# KiCad board DisplayAdapter.kicad_pcb (continued)
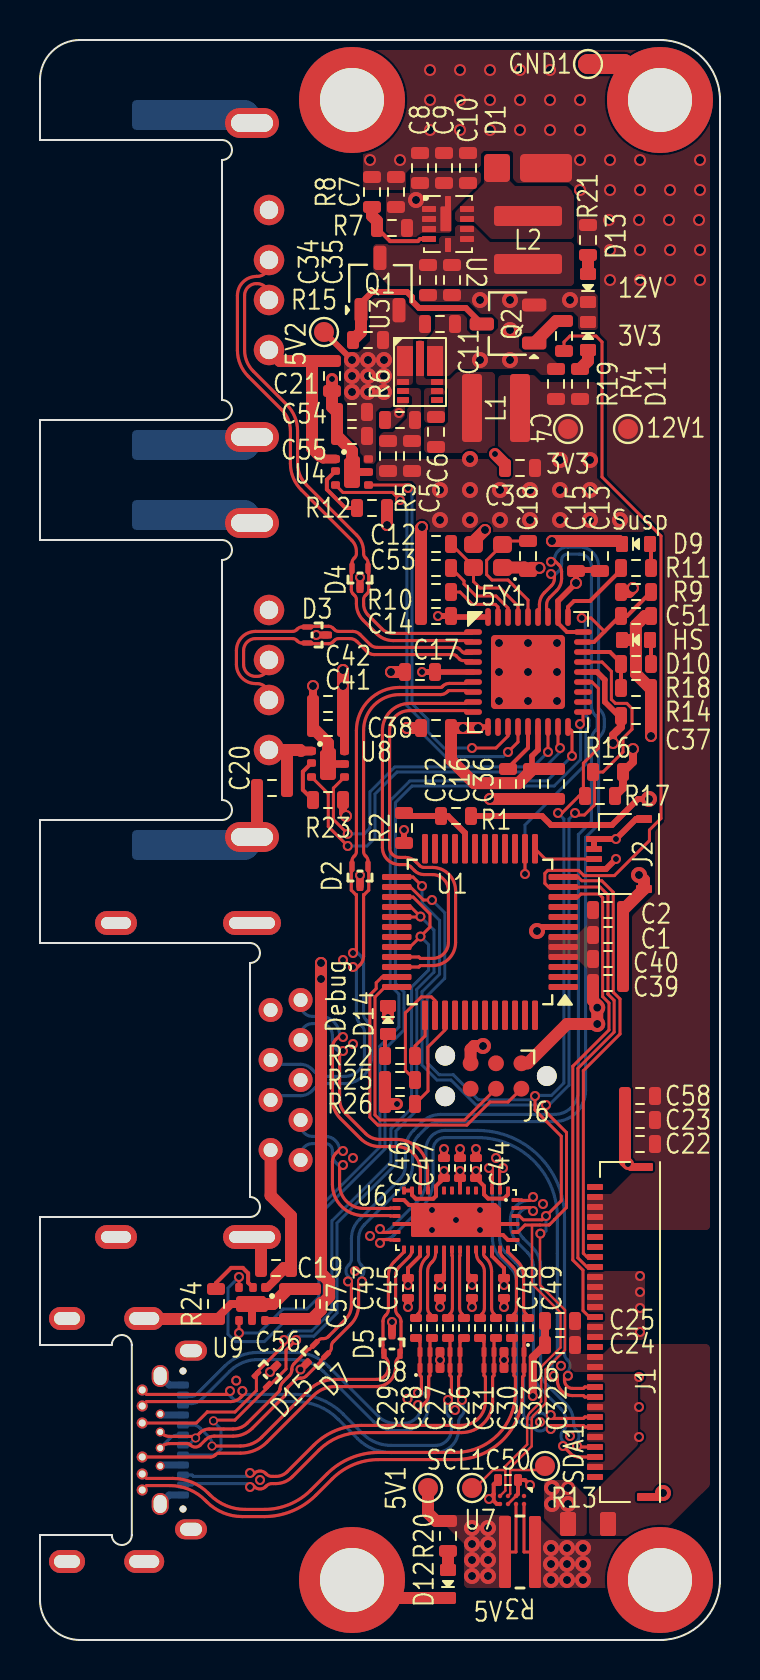
[diagram p0: board, top side]
## Routing (per net, layer and track width the routed paths; a pad name or vN(x,y) marks a point on that pad's centre or on a via; arc(x,y) is an arc through that point) (continued)
  Top w0.6: v3(22.25,55.5) 21.67,54.92 Y1.2 ; v1(22.75,59.3) 23.25,58.8 C3.2 ; D10.1 29.79,50 ; 29.79,50 29.79,50.74 30.25,51.2 C51.2 ; 29.79,50 29.79,49.31 29.8,49.3 29.8,48.3 30.5,47.6 R14.1 C37.1 v3(30.55,45.2) ; C57.2 C56.2 11.65,16.8 U9.S ; C20.2 10.85,40.4 J5.5 ; C58.1 29.25,23.95 v1(29.4,23.8) ; R25.1 R26.1 v1(17.85,26.8) ; v2(29.95,38.25) 30.2,38 J2.5 C2.2 C1.2 C40.2 C39.2 ; v3(25.6,54.95) C15.1 C13.1 28.95,54.95 D9.1 ; C38.1 v3(18.35,45.6) ; U8.S 14.4,44.85 C41.2 C42.2 ; C12.2 19.05,55.6 v3(19.1,55.65) ; C12.2 19.05,55.05 ; C12.2 R10.2 C14.1 ; C36.1 C16.1 C52.2 v3(22.5,42.05) ; U4.S 15.6,59.45 C55.2 C54.2 14.6,61.65 C21.2 v1(14.6,63.05) ; R12.2 v3(17.35,55.75) ; D14.1 v1(17.4,31.15) ; J6.5 21.53,29.53 21.7,29.7 v2(22.15,29.7) ; v3(24.97,53.61) 24.56,53.61 C18.2 24.22,53.62 Y1.4 ; 15.6,3.2 16.7,2.1 D12.1 ; J7.S 5.23,16.05 R24.2 ; J3.10 11.05,19.7 C19.2 ; C17.1 v3(17.55,48.4)
  Top w1: GND1.1 29.2,78.8 M2.1
  In1.Cu w0.4: 13.66,21.8 14.78,21.8
  In2.Cu w0.4: 13.66,21.8 14.98,21.8
  Bottom w0.35: J7.A12 6.46,12.75 J7.B1 ; J7.A1 6.46,7.25 J7.B12
  Bottom w1.5: J4.5 10.2,59.75 J4.5 ; J5.5 10.2,56.25 J5.5 ; J5.5 10.2,39.75 J5.5 ; J4.5 10.2,76.25 J4.5
  vias: v1(9.81,12.97) v1(11,8) v1(15.15,34) v1(15.65,29.8) v1(15.65,24.1) v1(15.75,18.45) v1(16.5,20.2) v1(17.95,61.35) v1(18.38,12.06) v1(19.6,20.5) v1(20.75,11.5) v1(22,21.5) v1(22.8,24.1) v1(25,10.9) v1(25.15,21.8) v1(26.05,13.71) v1(26.5,10.2) v1(30,18.2) v1(30,17.4) v1(30,16.6) v1(30,15.4) v1(29.95,13.15) v1(29.95,11.65) v1(29.95,10.15) v2(18.8,72) v2(22,67) v2(22,64) v2(23.5,67) v2(23.5,65.5) v2(23.5,64) v2(26.5,67) v3(22.95,49.85) v3(22.95,48.4) v3(22.95,46.95) v3(24.4,49.85) v3(24.4,48.4) v3(24.4,46.95) v3(25.85,49.85) v3(25.85,48.4) v3(25.85,46.95)
/CONTROL/BL_ENABLE: length 59.1
  Top w0.15: J1.22 27.35,18.65 26.89,19.11 26.89,28.58 28.71,30.39 28.71,31.98 28.4,32.28 28.4,32.3 28.4,32.3 28.4,37.25 28,37.65 U1.11 25.43,37.65 25.24,37.83 25.24,38.33 25.39,38.48 26.93,38.48 27.2,38.22 28.72,38.22 30.47,39.97 30.47,40.5 31.05,41.08 31.05,55.2 28.1,58.15 28.1,64.9 27.8,65.2 26.5,65.2 26.2,64.9 R4.1
/CONTROL/BL_SENSE: length 3.2
  Top w0.15: J2.2 25.26,39.05 U1.13
/CONTROL/HP_Det: length 24.5
  Top w0.15: U1.10 26.9,37.15 27.05,37.3 27.95,37.3 28.13,37.12 28.13,32.17 28.45,31.85 28.45,30.5 26.64,28.69 26.64,19 27.15,18.49 27.15,16.47 27.47,16.15 27.65,16.15
/CONTROL/I2C.SCL: length 71.3
  Top w0.12: 25,20.75 24.6,20.75 24.6,17.8 26.02,16.38 26.02,14.62 25.05,13.65 25.05,13.64 25.05,11.92 24.51,11.38 arc(24.4,11.21) 24.36,11.01 24.36,9.78 23.27,8.69 23.27,7.47 U7.D1 ; 23.27,8.5 22.65,8.5 21.75,7.6 SCL1.1
  Top w0.15: U5.24 28.1,48.9 28.57,48.43 28.57,47.03 28.77,46.83 29.34,46.83 29.6,46.57 29.6,45.54 29.15,45.09 29.15,44.4 28.15,43.4 R16.1 27.73,43.32 27.73,41.76 27.22,41.25 26.94,41.25 26.84,41.35 v1(26.75,41.35) ; v1(19.1,37.7) 18.65,38.15 U1.25 ; v1(25.3,26.75) 25.3,26.4 26.33,25.38 26.33,21.62 25.73,21.03 25.73,21.02 25.48,20.77 25.47,20.77 25.45,20.75 24.25,20.75 23.9,20.4 U6.36
  Bottom w0.15: v1(26.75,41.35) 26.45,41.05 26.45,27.74 25.46,26.75 v1(25.3,26.75) 21.8,26.75 20.55,28 19.85,28 19.1,28.75 19.1,32.41 19.98,33.29 19.98,35.98 19.1,36.86 v1(19.1,37.7)
/CONTROL/I2C.SDA: length 66.9
  Top w0.12: 23.51,8.5 23.51,7.31 U7.C1 ; 23.51,8.5 25.05,8.5 SDA1.1 ; 23.51,8.5 23.51,8.61 24.58,9.68 24.58,11.01 arc(24.61,11.12) 24.67,11.22 25.28,11.83 25.28,13.53 26.25,14.5 26.25,16.5 25,17.75 25,20.3 v1(25.02,20.32)
  Top w0.15: v1(19.6,37) 19.17,37 18.52,37.65 U1.26 ; U6.38 23.98,21.2 24.17,21.01 25.11,21.01 v1(25.3,21.2) 26.06,21.97 26.06,25.19 24.75,26.5 v1(24.75,27.2) ; U5.22 27.6,47.9 27.92,47.58 27.92,44.59 27.17,43.84 27.17,42.28 R17.1 26.95,42.2 26.1,41.35 v1(25.9,41.35)
  Bottom w0.15: v1(25.02,20.32) 25.17,20.32 25.3,20.45 v1(25.3,21.2) ; v1(25.9,41.35) 26.19,41.06 26.19,27.85 25.58,27.23 24.78,27.23 v1(24.75,27.2) 24.56,27.02 21.91,27.02 20.66,28.26 19.96,28.26 19.37,28.86 19.37,32.21 20.23,33.08 20.23,36.36 v1(19.6,37)
/CONTROL/PWM_Brightness: length 22.4
  Top w0.15: U1.12 26.9,38.15 27.09,37.96 28.09,37.96 28.66,37.39 28.66,32.39 29,32.05 29,30.3 27.17,28.47 27.17,19.33 27.35,19.15 J1.23
/CONTROL/SWCLK: length 14
  Top w0.15: U1.36 17.25,32.65 16.75,32.15 16.75,26.25 17,26 21.23,26 J6.4
/CONTROL/SWDIO: length 16.5
  Top w0.15: U1.35 17.1,33.15 16.81,32.86 16.81,32.57 16.49,32.26 16.49,26.14 16.89,25.74 21.34,25.74 22.5,26.9 23.41,26.9 J6.2
/CONTROL/USB_CC._{1}: length 37.4
  Top w0.15: U1.28 18.54,36.65 v1(19.02,36.17) 19,36.15 U1.29 ; 12.81,14.91 v1(12.81,15) 12.81,15 12.3,14.49 12.3,13.55 11.47,12.72 D15.2 11.39,12.64 9.74,11 8.71,11 v5(8.67,10.96)
  Bottom w0.15: 12.8,15.01 v1(12.81,15) 13,15.19 13.69,15.19 14.85,16.35 14.85,20.85 17.8,23.8 17.8,25.45 18.84,26.48 18.84,32.53 19.7,33.39 19.7,35.5 v1(19.02,36.17) ; J7.A5 8.75,9.25 9.05,9.55 9.05,10.55 8.67,10.92 v5(8.67,10.96)
/CONTROL/USB_CC._{2}: length 38.1
  Top w0.15: U1.32 18.5,34.65 v1(19.02,35.17) 19.5,35.65 19.5,36.3 18.65,37.15 U1.27 ; v1(12.2,15) 12.2,14.75 12.07,14.62 12.07,14.62 10.82,13.37 D15.1 10.82,12.47 9.75,11.4 8.37,11.4 8.37,11.4 7.82,10.85 J7.B5
  Bottom w0.15: v1(12.2,15) 12.2,15 12.65,15.45 13.59,15.45 14.59,16.46 14.59,20.96 17.54,23.91 17.54,25.56 18.58,26.59 18.58,32.64 19.43,33.49 19.43,34.77 v1(19.02,35.17)
/CONTROL/USB_OUT.0+: length 27.3
  Top w0.158: U5.2 21.58,49.97 17.66,49.97 arc(17.21,50.06) 16.84,50.31 16.16,50.99 arc(15.91,51.36) 15.82,51.81 15.82,52.01 arc(15.8,52.13) 15.73,52.23 15.65,52.31 arc(15.59,52.4) 15.57,52.52 15.57,53.32 15.6,53.35 D4.2 15.6,53.86 arc(15.62,53.97) 15.69,54.07 15.73,54.11 arc(15.8,54.21) 15.82,54.33 15.82,54.42 arc(15.76,54.73) 15.59,54.99 13.07,57.51 arc(12.66,58.11) 12.52,58.82 12.52,60.45 arc(12.41,61.03) 12.08,61.52 10.42,63.18 arc(10.01,63.78) 9.87,64.5 9.87,67.22 arc(10.15,67.9) 10.83,68.18 10.85,68.18 arc(11.27,68.35) 11.45,68.78 J4.3
/CONTROL/USB_OUT.0-: length 26.1
  Top w0.158: U5.1 21.58,50.33 17.66,50.33 arc(17.35,50.39) 17.09,50.56 16.41,51.24 arc(16.24,51.5) 16.18,51.81 16.18,52.01 arc(16.2,52.13) 16.27,52.23 16.35,52.31 arc(16.41,52.4) 16.43,52.52 16.43,53.32 16.4,53.35 D4.1 16.4,53.86 arc(16.38,53.97) 16.31,54.07 16.27,54.11 arc(16.2,54.21) 16.18,54.33 16.18,54.42 arc(16.09,54.86) 15.84,55.24 13.32,57.76 arc(12.99,58.25) 12.88,58.82 12.88,60.45 arc(12.74,61.17) 12.33,61.77 10.67,63.43 arc(10.34,63.92) 10.23,64.5 10.23,67.22 arc(10.4,67.65) 10.83,67.82 10.85,67.82 arc(11.27,67.65) 11.45,67.22 J4.2
/CONTROL/USB_OUT.1+: length 15.3
  Top w0.158: U5.4 21.58,48.97 21.15,48.97 arc(21.06,48.99) 20.97,49.04 20.82,49.2 arc(20.74,49.25) 20.64,49.27 16.71,49.27 arc(16.52,49.31) 16.35,49.42 15.85,49.92 arc(15.69,50.03) 15.49,50.07 14.94,50.07 arc(14.82,50.05) 14.72,49.98 14.64,49.9 arc(14.55,49.84) 14.43,49.82 13.63,49.82 13.6,49.85 D3.2 13.09,49.85 arc(12.98,49.87) 12.88,49.94 12.84,49.98 arc(12.74,50.05) 12.62,50.07 10.78,50.07 arc(10.35,49.9) 10.18,49.47 10.18,48.78 arc(10.35,48.35) 10.78,48.18 10.85,48.18 arc(11.27,48.35) 11.45,48.78 J5.3
/CONTROL/USB_OUT.1-: length 16.4
  Top w0.158: J5.2 11.45,47.22 arc(11.27,47.65) 10.85,47.82 10.78,47.82 arc(10.1,48.1) 9.82,48.78 9.82,49.47 arc(10.1,50.15) 10.78,50.43 12.62,50.43 arc(12.74,50.45) 12.84,50.52 12.88,50.56 arc(12.98,50.63) 13.09,50.65 D3.1 13.6,50.65 13.63,50.68 14.43,50.68 arc(14.55,50.66) 14.64,50.6 14.72,50.52 arc(14.82,50.45) 14.94,50.43 15.64,50.43 arc(15.83,50.39) 16,50.28 16.5,49.78 arc(16.66,49.67) 16.86,49.63 20.79,49.63 arc(20.89,49.61) 20.97,49.56 21.12,49.4 arc(21.2,49.35) 21.3,49.33 21.58,49.33 U5.3
/CONTROL/USB_OUT.2+: length 29.3
  Top w0.158: U5.7 21.34,47.4 21.27,47.47 20.47,47.47 arc(20.43,47.46) 20.39,47.44 20.36,47.41 arc(20.21,47.31) 20.03,47.27 17.98,47.27 arc(16.71,46.74) 16.18,45.47 16.18,39.43 arc(16.2,39.31) 16.27,39.21 16.31,39.17 arc(16.38,39.07) 16.4,38.96 D2.1 16.4,38.45 16.43,38.42 16.43,37.49 16.21,37.27 16.18,37.27 16.18,34.19 arc(16.13,33.96) 16,33.76 15.77,33.53 v1(15.65,33.65)
  Bottom w0.158: v1(15.65,33.65) 15.82,33.65 15.82,31.29 arc(15.88,31) 16.04,30.75 16.1,30.69 arc(16.19,30.56) 16.22,30.41 16.22,29.18 arc(15.93,28.47) 15.22,28.18 14.29,28.18 arc(13.99,28.24) 13.73,28.41 13.59,28.55 arc(13.33,28.72) 13.02,28.78 11.75,28.78 J3.3
/CONTROL/USB_OUT.2-: length 30.5
  Top w0.158: U5.6 21.34,47.9 21.27,47.83 20.47,47.83 arc(20.29,47.79) 20.14,47.69 20.11,47.66 arc(20.07,47.64) 20.03,47.63 17.98,47.63 arc(16.45,47) 15.82,45.47 15.82,39.43 arc(15.8,39.31) 15.73,39.21 15.69,39.17 arc(15.62,39.07) 15.6,38.96 D2.2 15.6,38.45 15.57,38.42 15.57,37.49 15.79,37.27 15.82,37.27 15.82,34.35 v1(15.65,34.35)
  Bottom w0.158: v1(15.65,34.35) 15.77,34.47 16,34.24 arc(16.13,34.04) 16.18,33.81 16.18,31.29 arc(16.21,31.14) 16.3,31.01 16.36,30.95 arc(16.52,30.7) 16.58,30.41 16.58,29.18 arc(16.18,28.22) 15.22,27.82 14.29,27.82 arc(13.99,27.76) 13.73,27.59 13.59,27.45 arc(13.33,27.28) 13.02,27.22 11.75,27.22 J3.2
/CONTROL/USB_OUT.3+: length 21.2
  Top w0.158: U5.9 21.34,46.4 21.27,46.47 18.48,46.47 arc(17.77,46.18) 17.48,45.47 17.48,39.63 arc(17.63,39.28) 17.98,39.13 18.26,39.13 arc(18.55,39.07) 18.8,38.91 18.99,38.72 arc(19.08,38.65) 19.2,38.63 19.62,38.63 arc(20.44,38.29) 20.78,37.47 20.78,34.88 arc(20.44,34.06) 19.62,33.72 19.02,33.72 18.94,33.65 U1.34
/CONTROL/USB_OUT.3-: length 21.2
  Top w0.158: U1.33 18.94,34.15 19.02,34.08 19.62,34.08 arc(20.19,34.31) 20.42,34.88 20.42,37.47 arc(20.19,38.04) 19.62,38.27 19.2,38.27 arc(18.95,38.32) 18.73,38.46 18.54,38.65 arc(18.41,38.74) 18.26,38.77 17.98,38.77 arc(17.37,39.02) 17.12,39.63 17.12,45.47 arc(17.52,46.43) 18.48,46.83 21.27,46.83 21.34,46.9 U5.8
/CONTROL/USB_RST: length 21.4
  Top w0.15: v1(24.25,38.3) U1.14 ; v1(27.09,51.1) 27.55,51.1 28.22,50.42
  Top w0.2: U5.26 27.7,49.9 29,51.2 C51.1 29.35,51.2 R9.1
  Bottom w0.15: v1(24.25,38.3) 24.25,40.75 27.29,43.79 27.29,45.39 arc(27.3,45.47) 27.35,45.54 27.39,45.58 arc(27.43,45.65) 27.45,45.72 27.45,45.98 arc(27.43,46.06) 27.39,46.12 27.32,46.19 arc(27.28,46.26) 27.26,46.33 27.26,50.93 v1(27.09,51.1)
/CONTROL/V_SENSE: length 4.3
  Top w0.3: R2.1 18.35,41.2 R1.2 20.4,41.2 21.25,40.35 U1.20
/PWR_GEN/BOOST_FB: length 4.1
  Top w0.2: R7.1 17.51,69.94 18.89,69.94 19,70.05 U2.4
  Top w0.6: R8.1 16.6,71.2 16.85,70.95 R7.1
/USB_CONN/USB_FAULT.EN1: length 19.7
  Top w0.15: v1(18.4,57.6) 18.25,57.75 16.42,57.75 ; U5.12 23.4,45.2 22.8,44.6 v1(21.6,44.6)
  Bottom w0.15: v1(18.4,57.6) 18.6,57.4 18.6,46.82 19.4,46.02 19.4,45.4 20.2,44.6 v1(21.6,44.6)
/USB_CONN/USB_FAULT.EN2: length 17.4
  Top w0.15: U5.16 v1(25.4,44.4) ; U8.3 14.67,42.59 14.67,41.03 v1(15.39,40.31)
  Bottom w0.15: v1(25.4,44.4) 24.66,43.66 17.74,43.66 16.49,42.41 16.49,40.59 16.21,40.31 v1(15.39,40.31)
/USB_CONN/USB_FAULT.EN3: length 43.6
  Top w0.15: U9.3 v1(9.95,15.35) ; U5.18 26.6,45.45 v1(26.6,44.2)
  Bottom w0.15: v1(9.95,15.35) 10.95,15.35 12.15,16.55 13.34,16.55 13.94,17.15 13.94,21.61 16.99,24.66 16.99,29.69 17.94,30.64 17.94,32.29 17.51,32.72 17.51,41.98 18.49,42.96 25.36,42.96 v1(26.6,44.2)
/USB_CONN/USB_FAULT.FAULT1: length 22
  Top w0.15: v1(18,57) 17.62,57.38 15.15,57.38 U4.4 ; U5.13 23.9,44.9 v1(23.4,44.4)
  Bottom w0.15: v1(23.4,44.4) 23.17,44.17 20.27,44.17 19.13,45.31 19.13,45.93 18.34,46.72 18.34,56.66 v1(18,57)
/USB_CONN/USB_FAULT.FAULT2: length 19.3
  Top w0.15: v1(26,44.6) 25.9,44.7 U5.17 ; 13.58,43.15 14.41,42.31 14.41,40.67 v1(15.39,39.7)
  Bottom w0.15: v1(26,44.6) 26,44.39 25.01,43.4 17.85,43.4 16.75,42.3 16.75,40.1 16.35,39.7 v1(15.39,39.7)
/USB_CONN/USB_FAULT.FAULT3: length 48.9
  Top w0.15: v1(27,45.8) 27.15,45.95 U5.19 ; U9.4 v1(9.95,18.15)
  Bottom w0.15: v1(9.95,18.15) 9.4,17.6 9.4,15.29 9.77,14.92 11.22,14.92 12.5,16.2 13.65,16.2 14.2,16.75 14.2,21.5 17.25,24.55 17.25,29.55 18.2,30.5 18.2,32.4 17.77,32.83 17.77,41.87 18.6,42.7 25.71,42.7 27.03,44.02 27.03,45.77 v1(27,45.8)
/USBC_INPUT/DP.0+: length 16
  Top w0.158: v1(24.65,21.45) 24.48,21.62 24.1,21.62 24.08,21.6 U6.39 ; 26.68,9.7 v1(26.85,9.7) 26.9,9.65 27.89,9.65
  Bottom w0.158: v1(24.65,21.45) 24.65,21.62 24.48,21.62 arc(24.05,21.45) 23.88,21.02 23.88,20.79 arc(23.95,20.41) 24.17,20.08 24.63,19.62 arc(24.93,19.18) 25.03,18.66 25.03,13.49 arc(25.1,13.11) 25.32,12.78 26.28,11.82 arc(26.58,11.38) 26.68,10.86 26.68,10.8 arc(26.71,10.65) 26.8,10.52 26.83,10.48 arc(26.95,10.2) 26.83,9.92 26.73,9.82 v1(26.85,9.7)
/USBC_INPUT/DP.0-: length 17.4
  Top w0.158: 27.89,9.15 26.95,9.15 arc(26.72,9.2) 26.52,9.33 v1(26.15,9.7) 26.32,9.7 ; v1(24.65,22.15) 24.48,21.98 24.1,21.98 24.08,22 U6.40
  Bottom w0.158: v1(26.15,9.7) 26.27,9.82 26.17,9.92 arc(26.05,10.2) 26.17,10.48 26.2,10.52 arc(26.29,10.65) 26.32,10.8 26.32,10.86 arc(26.25,11.24) 26.03,11.57 25.07,12.53 arc(24.77,12.97) 24.67,13.49 24.67,18.66 arc(24.6,19.04) 24.38,19.37 23.92,19.83 arc(23.62,20.27) 23.52,20.79 23.52,21.02 arc(23.8,21.7) 24.48,21.98 24.65,21.98 v1(24.65,22.15)
/USBC_INPUT/DP.1+: length 18.4
  Top w0.158: 27.89,11.15 27.24,11.15 27.17,11.08 25.54,11.08 v1(25.54,11.25) ; v1(23.15,23.6) 22.98,23.6 22.98,22.8 23,22.78 U6.2
  Bottom w0.158: v1(23.15,23.6) 22.98,23.6 22.98,20.09 arc(23.05,19.71) 23.27,19.38 23.78,18.87 arc(24.08,18.43) 24.18,17.91 24.18,11.28 arc(24.24,11.14) 24.38,11.08 24.42,11.08 arc(24.56,11.11) 24.68,11.2 24.72,11.23 arc(25,11.35) 25.28,11.23 25.4,11.11 v1(25.54,11.25)
/USBC_INPUT/DP.1-: length 18.9
  Top w0.158: v1(25.54,10.55) 25.54,10.72 27.17,10.72 27.24,10.65 27.89,10.65 ; U6.3 22.6,22.78 22.62,22.8 22.62,23.6 v1(22.45,23.6)
  Bottom w0.158: v1(22.45,23.6) 22.62,23.43 22.62,20.09 arc(22.72,19.57) 23.02,19.13 23.53,18.62 arc(23.75,18.29) 23.82,17.91 23.82,11.28 arc(23.98,10.88) 24.38,10.72 24.4,10.72 arc(24.55,10.69) 24.68,10.6 24.72,10.57 arc(25,10.45) 25.28,10.57 25.4,10.69 v1(25.54,10.55)
/USBC_INPUT/DP.AUX+: length 27
  Top w0.158: v1(26.4,13.21) 26.23,13.21 26.23,12.98 arc(26.34,12.7) 26.63,12.58 27.17,12.58 27.24,12.65 27.89,12.65 ; U6.19 17.52,20.4 17.5,20.38 17,20.38 v1(17,20.55)
  Bottom w0.158: 26.23,13.21 v1(26.4,13.21) 26.28,13.33 26.38,13.43 arc(26.5,13.71) 26.38,13.99 26.34,14.03 arc(26.26,14.16) 26.23,14.31 26.23,21.12 arc(24.95,24.2) 21.87,25.48 20.25,25.48 arc(19.58,25.2) 19.3,24.52 19.3,22.97 arc(19.18,22.4) 18.86,21.91 17.44,20.5 arc(17.31,20.41) 17.16,20.38 17,20.38 v1(17,20.55)
/USBC_INPUT/DP.AUX-: length 26.9
  Top w0.158: v1(25.7,13.21) 25.87,13.21 25.87,12.98 arc(26.09,12.44) 26.63,12.22 27.17,12.22 27.24,12.15 27.89,12.15 ; U6.20 17.52,20 17.5,20.02 17,20.02 v1(17,19.85)
  Bottom w0.158: v1(17,19.85) 17,20.02 17.16,20.02 arc(17.45,20.08) 17.7,20.24 19.11,21.66 arc(19.51,22.26) 19.65,22.97 19.65,24.52 arc(19.83,24.95) 20.25,25.12 21.87,25.12 arc(24.7,23.95) 25.87,21.12 25.87,14.31 arc(25.84,14.16) 25.75,14.03 25.72,13.99 arc(25.6,13.71) 25.72,13.43 25.81,13.33 v1(25.7,13.21) 25.87,13.21
/USBC_INPUT/SS_USB.RX+: length 8.2
  Top w0.158: v1(15.15,23.75) 14.98,23.75 14.98,22.78 arc(15.33,21.93) 16.18,21.58 17.5,21.58 17.52,21.6 U6.16
  Bottom w0.158: v1(15.15,23.75) 15.03,23.63 14.8,23.86 arc(14.67,24.06) 14.62,24.29 14.62,24.47 arc(14.52,24.72) 14.27,24.82 13.63,24.82 arc(13.21,24.65) 13.03,24.22 J3.9
/USBC_INPUT/SS_USB.RX-: length 9.3
  Top w0.158: v1(15.15,24.45) 15.03,24.57 14.8,24.34 arc(14.67,24.14) 14.62,23.91 14.62,22.78 arc(15.08,21.68) 16.18,21.22 17.5,21.22 17.52,21.2 U6.17
  Bottom w0.158: J3.8 13.03,25.78 arc(13.21,25.35) 13.63,25.18 14.27,25.18 arc(14.77,24.97) 14.98,24.47 14.98,24.45 v1(15.15,24.45)
/USBC_INPUT/SS_USB.TX+: length 13.6
  Top w0.158: U6.11 19.4,22.78 19.38,22.8 19.38,23.47 arc(18.92,24.57) 17.82,25.03 16.99,25.03 arc(16.61,25.1) 16.28,25.32 15.27,26.33 arc(15.05,26.66) 14.98,27.04 14.98,29.45 v1(15.15,29.45)
  Bottom w0.158: J3.6 13.03,30.22 arc(13.21,30.65) 13.63,30.82 14.02,30.82 arc(14.45,30.65) 14.62,30.22 14.62,29.99 arc(14.67,29.76) 14.8,29.56 15.03,29.33 v1(15.15,29.45)
/USBC_INPUT/SS_USB.TX-: length 14.1
  Top w0.158: v1(15.15,30.15) 15.03,30.27 14.8,30.04 arc(14.67,29.84) 14.62,29.61 14.62,27.04 arc(14.72,26.52) 15.02,26.08 16.03,25.07 arc(16.47,24.77) 16.99,24.67 17.82,24.67 arc(18.67,24.32) 19.02,23.47 19.02,22.8 19,22.78 U6.12
  Bottom w0.158: J3.5 13.03,31.78 arc(13.21,31.35) 13.63,31.18 14.02,31.18 arc(14.7,30.9) 14.98,30.22 14.98,30.15 v1(15.15,30.15)
/USBC_INPUT/U1+: length 3.5
  Top w0.158: U6.28 21,19.22 20.98,19.2 20.98,16.59 arc(21.01,16.43) 21.1,16.3 21.2,16.2 C26.2
/USBC_INPUT/U1-: length 3.5
  Top w0.158: C27.2 20.4,16.2 20.5,16.3 arc(20.59,16.43) 20.62,16.59 20.62,19.2 20.6,19.22 U6.27
/USBC_INPUT/U2+: length 3.6
  Top w0.158: C28.2 19.6,16.2 19.5,16.3 arc(19.41,16.43) 19.38,16.59 19.38,18.43 arc(19.42,18.66) 19.55,18.85 19.62,18.91 arc(19.74,19.09) 19.78,19.31 19.78,19.4 19.8,19.42 U6.25
/USBC_INPUT/U2-: length 3.6
  Top w0.158: U6.24 19.4,19.42 19.42,19.4 19.42,19.31 arc(19.41,19.23) 19.36,19.17 19.3,19.1 arc(19.09,18.79) 19.02,18.43 19.02,16.59 arc(18.99,16.43) 18.9,16.3 18.8,16.2 C29.2
/USBC_INPUT/U3+: length 3.6
  Top w0.158: U6.31 22.2,19.42 22.18,19.4 22.18,19.31 arc(22.19,19.23) 22.24,19.17 22.3,19.1 arc(22.51,18.79) 22.58,18.43 22.58,16.59 arc(22.61,16.43) 22.7,16.3 22.8,16.2 C30.2
/USBC_INPUT/U3-: length 3.6
  Top w0.158: C31.2 22,16.2 22.1,16.3 arc(22.19,16.43) 22.22,16.59 22.22,18.43 arc(22.18,18.66) 22.05,18.85 21.98,18.91 arc(21.86,19.09) 21.82,19.31 21.82,19.4 21.8,19.42 U6.30
/USBC_INPUT/U4+: length 3.8
  Top w0.158: C32.2 24.4,16.2 24.3,16.3 arc(24.21,16.43) 24.18,16.59 24.18,18.23 arc(24.11,18.59) 23.9,18.9 23.38,19.42 23.38,19.5 U6.34
/USBC_INPUT/U4-: length 3.8
  Top w0.158: U6.33 23.02,19.5 23.02,19.42 arc(23.05,19.29) 23.13,19.17 23.65,18.65 arc(23.78,18.46) 23.82,18.23 23.82,16.59 arc(23.79,16.43) 23.7,16.3 23.6,16.2 C33.2
/USBC_INPUT/U5+: length 18.8
  Top w0.158: v5(8.6,9.7) 10.02,9.7 arc(10.6,9.81) 11.09,10.14 13.43,12.48 arc(14.03,12.89) 14.75,13.03 16.82,13.03 arc(17.25,13.2) 17.42,13.63 17.42,13.8 arc(17.39,13.95) 17.3,14.08 17.2,14.19 D5.1 17.15,14.36 17.15,15.93 arc(17.18,16.09) 17.27,16.22 17.3,16.25 arc(17.39,16.38) 17.42,16.54 17.42,18.23 arc(17.49,18.59) 17.7,18.9 18.22,19.42 18.22,19.5 U6.21
  Bottom w0.158: J7.A8 7.64,10.75 arc(7.83,10.71) 8,10.6 8.45,10.15 arc(8.56,9.98) 8.6,9.79 v5(8.6,9.7)
/USBC_INPUT/U5-: length 20.9
  Top w0.158: J7.B8 8.53,9.15 arc(8.65,9.17) 8.75,9.24 8.76,9.25 arc(8.86,9.32) 8.97,9.34 10.02,9.34 arc(10.74,9.48) 11.34,9.89 13.68,12.23 arc(14.17,12.56) 14.75,12.67 16.82,12.67 arc(17.5,12.95) 17.78,13.63 17.78,13.8 arc(17.81,13.95) 17.9,14.08 18,14.19 D5.2 18.05,14.36 18.05,15.92 arc(18.02,16.08) 17.93,16.21 17.9,16.24 arc(17.81,16.37) 17.78,16.53 17.78,18.23 arc(17.82,18.46) 17.95,18.65 18.47,19.17 arc(18.55,19.29) 18.58,19.42 18.58,19.5 U6.22
/USBC_INPUT/U6+: length 20.9
  Top w0.158: C30.1 22.7,15 D6.7 22.7,13.22 22.63,13.15 22.63,11.93 arc(22.17,10.83) 21.07,10.37 16.07,10.37 arc(14.92,10.14) 13.95,9.49 12.61,8.16 arc(12.24,7.91) 11.79,7.82 11.6,7.82 arc(11.45,7.79) 11.32,7.7 11.28,7.67 arc(11,7.55) 10.72,7.67 10.62,7.77 v1(10.5,7.65)
  Bottom w0.158: v1(10.5,7.65) 10.5,7.82 7.67,7.82 7.6,7.75 J7.A2
/USBC_INPUT/U6-: length 20.4
  Top w0.158: v1(10.5,8.35) 10.62,8.23 10.72,8.33 arc(11,8.45) 11.28,8.33 11.32,8.3 arc(11.45,8.21) 11.6,8.18 11.79,8.18 arc(12.1,8.24) 12.36,8.41 13.69,9.75 arc(14.78,10.47) 16.07,10.73 21.07,10.73 arc(21.92,11.08) 22.27,11.93 22.27,13.15 22.2,13.22 D6.6 22.2,14.9 C31.1
  Bottom w0.158: J7.A3 7.6,8.25 7.67,8.18 10.5,8.18 v1(10.5,8.35)
/USBC_INPUT/U7+: length 25.2
  Top w0.158: J7.B11 5.33,7.72 6.49,7.72 arc(7.45,7.53) 8.26,6.99 8.34,6.9 arc(9.15,6.36) 10.11,6.17 11.21,6.17 arc(12.61,6.45) 13.8,7.24 14.61,8.05 arc(15.68,8.77) 16.94,9.02 20.77,9.02 arc(23.15,10) 24.13,12.38 24.13,13.15 24.2,13.22 D6.10 24.2,14.9 C32.1
/USBC_INPUT/U7-: length 24.6
  Top w0.158: C33.1 23.7,15 D6.9 23.7,13.22 23.77,13.15 23.77,12.38 arc(22.89,10.26) 20.77,9.38 16.94,9.38 arc(15.54,9.1) 14.35,8.31 13.54,7.5 arc(12.47,6.78) 11.21,6.53 10.26,6.53 arc(9.3,6.72) 8.49,7.26 8.41,7.35 arc(7.6,7.89) 6.64,8.08 5.33,8.08 J7.B10
/USBC_INPUT/U8+: length 23
  Top w0.158: J7.B2 5.33,12.28 9.47,12.28 9.5,12.31 v1(9.5,12.45) ; v1(21.1,12) 20.94,12 20.93,11.99 20.93,13.15 21,13.22 D8.5 21,14.9 C26.1
  Bottom w0.158: v1(9.5,12.45) 9.38,12.33 9.58,12.13 arc(9.81,11.97) 10.08,11.92 12.78,11.92 arc(13.93,11.69) 14.9,11.04 15.89,10.06 arc(16.65,9.55) 17.55,9.37 19.77,9.37 arc(20.59,9.71) 20.93,10.53 20.93,10.9 arc(20.96,11.05) 21.05,11.18 21.08,11.22 arc(21.2,11.5) 21.08,11.78 20.99,11.88 20.99,11.89 v1(21.1,12)
/USBC_INPUT/U8-: length 22.5
  Top w0.158: v1(10.12,12.45) 10.24,12.33 10.04,12.13 arc(9.81,11.97) 9.54,11.92 5.33,11.92 J7.B3 ; C27.1 20.5,15 D8.4 20.5,13.22 20.57,13.15 20.57,11.99 20.56,12 v1(20.4,12)
  Bottom w0.158: v1(20.4,12) 20.51,11.89 20.51,11.88 20.42,11.78 arc(20.3,11.5) 20.42,11.22 20.45,11.18 arc(20.54,11.05) 20.57,10.9 20.57,10.53 arc(20.34,9.96) 19.77,9.73 17.55,9.73 arc(16.79,9.88) 16.14,10.31 15.16,11.3 arc(14.07,12.02) 12.78,12.28 10.12,12.28 v1(10.12,12.45)
/USBC_INPUT/U9+: length 19.5
  Top w0.158: 19.43,13.15 19.5,13.22 D8.2 19.5,15 C28.1 ; 19.43,13.15 19.43,12.29 arc(19.38,12.06) 19.25,11.86 19.02,11.63 v1(18.9,11.75) ; 19.43,13.15 19.43,12.23
  Bottom w0.158: v1(18.9,11.75) 19.07,11.75 19.07,11.73 arc(18.81,11.09) 18.17,10.83 17.77,10.83 arc(17.31,10.92) 16.92,11.18 14.41,13.69 arc(13.65,14.2) 12.75,14.38 10.89,14.38 arc(9.99,14.2) 9.23,13.69 7.83,12.3 arc(7.71,12.21) 7.55,12.18 7.35,12.18 7.27,12.25 J7.A11
/USBC_INPUT/U9-: length 19.2
  Top w0.158: v1(18.9,12.36) 19.07,12.36 19.07,13.15 19,13.22 D8.1 19,14.9 C29.1
  Bottom w0.158: v1(18.9,12.36) 19.02,12.48 19.28,12.22 arc(19.39,12.06) 19.43,11.86 19.43,11.73 arc(19.06,10.84) 18.17,10.47 17.77,10.47 arc(17.18,10.59) 16.67,10.93 14.16,13.44 arc(13.51,13.87) 12.75,14.02 10.89,14.02 arc(10.13,13.87) 9.48,13.44 8.09,12.04 arc(7.84,11.88) 7.55,11.82 7.35,11.82 7.27,11.75 J7.A10
/USBC_INPUT/USB_IN.+: length 65.3
  Top w0.158: v1(25.55,53.3) 25.72,53.3 25.72,53.07 arc(25.68,52.88) 25.57,52.72 25.22,52.37 arc(25.04,52.09) 24.97,51.76 24.97,51.53 24.9,51.46 U5.31 ; 7.89,10.25 8,10.36 arc(8.21,10.5) 8.46,10.55 9.66,10.55 arc(10.04,10.63) 10.37,10.84 11.95,12.43 arc(11.99,12.48) 12,12.54 12,12.54 arc(12.04,12.74) 12.15,12.9 12.47,13.23 arc(12.56,13.36) 12.59,13.51 12.59,13.54 arc(12.62,13.69) 12.71,13.82 13.42,14.54 13.47,14.54 D7.2 13.92,14.98 arc(14.02,15.05) 14.13,15.07 14.2,15.07 arc(14.31,15.1) 14.41,15.16 15.28,16.03 arc(15.5,16.36) 15.57,16.74 15.57,17.93 v1(15.4,17.93) ; v5(7.78,10.1) 7.7,10.18 6.48,10.18 arc(6.25,10.22) 6.06,10.35 J7.B6
  Bottom w0.158: v1(15.4,17.93) 15.53,18.06 15.42,18.17 arc(15.3,18.45) 15.42,18.73 15.45,18.77 arc(15.54,18.9) 15.57,19.05 15.57,20.06 arc(15.67,20.58) 15.97,21.02 17.98,23.03 arc(18.2,23.36) 18.27,23.74 18.27,24.51 arc(18.37,25.03) 18.67,25.47 19.08,25.88 arc(19.52,26.18) 20.04,26.28 25.72,26.28 arc(26.57,26.63) 26.92,27.48 26.92,40.27 27.57,40.92 27.57,45 arc(27.62,45.25) 27.76,45.47 27.77,45.48 arc(27.84,45.57) 27.86,45.69 27.86,46.01 arc(27.84,46.13) 27.77,46.22 27.76,46.23 arc(27.62,46.45) 27.57,46.7 27.57,53.69 arc(27.4,54.12) 26.97,54.29 26.38,54.29 arc(26.17,54.2) 26.08,53.99 26.08,53.8 arc(26.04,53.6) 25.93,53.44 25.67,53.18 v1(25.55,53.3) ; v5(7.78,10.1) 7.43,9.75 J7.A6
/USBC_INPUT/USB_IN.-: length 67.8
  Top w0.158: v1(16.1,17.93) 15.93,17.93 15.93,16.74 arc(15.83,16.22) 15.53,15.78 14.66,14.91 arc(14.6,14.81) 14.57,14.7 14.57,14.63 arc(14.55,14.52) 14.48,14.42 D7.1 14.04,13.97 14.04,13.92 13.32,13.21 arc(13.19,13.12) 13.04,13.09 13.01,13.09 arc(12.86,13.06) 12.73,12.97 12.4,12.65 arc(12.37,12.6) 12.36,12.54 12.36,12.54 arc(12.32,12.34) 12.21,12.18 10.62,10.59 arc(10.18,10.3) 9.66,10.19 8.71,10.19 arc(8.48,10.15) 8.28,10.02 8.02,9.75 arc(7.77,9.65) 7.52,9.75 7.51,9.76 arc(7.44,9.81) 7.37,9.82 6.48,9.82 arc(6.25,9.78) 6.06,9.65 J7.B7 ; U5.30 25.4,51.46 25.33,51.53 25.33,51.76 arc(25.37,51.95) 25.48,52.11 25.83,52.47 arc(26.01,52.74) 26.08,53.07 26.08,53.41 arc(26.04,53.61) 25.93,53.77 25.67,54.03 v1(25.55,53.91)
  Bottom w0.158: v1(25.55,53.91) 25.72,53.91 25.72,53.99 arc(25.91,54.46) 26.38,54.65 26.97,54.65 arc(27.65,54.37) 27.93,53.69 27.93,46.7 arc(27.95,46.58) 28.02,46.49 28.03,46.48 arc(28.17,46.26) 28.22,46.01 28.22,45.69 arc(28.17,45.44) 28.03,45.22 28.02,45.21 arc(27.95,45.12) 27.93,45 27.93,40.78 27.28,40.13 27.28,27.48 arc(26.82,26.38) 25.72,25.92 20.04,25.92 arc(19.66,25.85) 19.33,25.63 18.92,25.22 arc(18.7,24.89) 18.63,24.51 18.63,23.74 arc(18.53,23.22) 18.23,22.78 16.22,20.77 arc(16,20.44) 15.93,20.06 15.93,19.05 arc(15.96,18.9) 16.05,18.77 16.08,18.73 arc(16.2,18.45) 16.08,18.17 15.97,18.06 v1(16.1,17.93) ; J7.A7 6.91,10.25 arc(6.68,10.2) 6.48,10.07 J7.B7
Net-(D9-A): length 1.2
  Top w0.2: R11.1 30.55,54.75 D9.2
Net-(D10-A): length 1.2
  Top w0.2: R18.1 30.55,49.95 D10.2
Net-(D11-A): length 1.1
  Top w0.6: R19.1 27.4,63.95 D11.2
Net-(D12-A): length 1
  Top w0.6: D12.2 R20.1
Net-(D13-A): length 1
  Top w0.6: D13.2 R21.1
Net-(D14-A): length 1.2
  Top w0.2: D14.2 17.25,30.15 R22.1
Net-(J3-VBUS): length 8.1
  Top w0.4: 11.8,18.2 11.8,18.05 11.38,17.62 U9.6
  Top w0.6: J3.1 11.53,22.22 12.55,21.2 C19.1 12.2,18.6 11.8,18.2
Net-(J4-VBUS): length 9.1
  Top w0.45: 14,59.2 14.15,59.05 U4.6
  Top w0.6: 13.6,63.95 13.6,59.6 14,59.2 ; C21.1 12,63.95 J4.1
Net-(J5-VBUS): length 4
  Top w0.45: 13.58,44.45 13.05,44.45
  Top w0.6: 12.35,44.5 13,44.5 13.05,44.45 ; 12.35,44.5 J5.1 ; 12.35,44.5 C20.1
Net-(Q1-G): length 9.1
  Top w0.3: Q1.1 16.05,66.85 16.6,67.4 18.35,67.4 18.6,67.15 18.6,66.95 18.95,66.6 21.29,66.6 Q2.3
  Top w0.6: R15.2 16.05,65.4 Q1.1
Net-(Q2-B): length 1.9
  Top w0.6: R4.2 25.81,65.95 Q2.1
Net-(U1-PA15): length 2.2
  Top w0.15: R22.2 18.75,29.7 19.25,30.2 U1.37
Net-(U1-PD0): length 6.2
  Top w0.15: U1.38 19.75,31.97 19.57,32.16 19.07,32.16 18.27,31.36 18.27,28.48 R25.2
Net-(U1-PD1): length 5.1
  Top w0.15: R26.2 19.4,27.45 19.4,29.65 20.25,30.5 U1.39
Net-(U4-ILIM): length 3
  Top w0.2: R12.1 15.27,56.6 14.34,57.53 14.34,58.02 U4.5
Net-(U5-CR_FLIT): length 2.5
  Top w0.2: C52.1 23.4,43.6 24.4,44.6 U5.14
Net-(U5-HS_IND/CFG_1): length 3.4
  Top w0.2: U5.25 28.5,49.4 29.05,48.85 R18.2 R14.2
Net-(U5-PLL_FILT): length 4.2
  Top w0.15: C53.1 21.2,52.95 21.2,52.8 21.8,52.2 22.8,52.2 23.4,51.6 U5.34
Net-(U5-RBIAS): length 3.2
  Top w0.15: U5.35 22.9,51.65 22.77,51.78 21.62,51.78 21,52.4 R10.1
Net-(U5-SUSP_IND/LOC_PWR/REM_0): length 4
  Top w0.2: U5.28 26.4,51.65 26.7,51.95 27.5,51.95 29.05,53.5 R11.2
Net-(U5-XTALIN): length 5.6
  Top w0.15: U5.33 23.9,51.7 23,52.6 22,52.6 21.67,52.92 Y1.1 21.67,53.67 C12.1
Net-(U5-XTALOUT): length 6.6
  Top w0.15: C18.1 23.3,54.95 Y1.3 22.33,53.98 22.33,53.27 22.6,53 23.4,53 24.4,52 U5.32
Net-(U8-ILIM): length 2.2
  Top w0.2: R23.1 13.14,42.51 13.14,43.42 13.58,43.85
Net-(U9-ILIM): length 3.1
  Top w0.2: U9.5 10.41,17.87 10.41,18.34 10.14,18.61 9.56,18.61 8.8,17.85 R24.1

## Copper pours and planes (outline as drawn; the poured copper is in the pictures)
/CONTROL/3V3 on Top: 27.35,7.15 26.5,8 25.2,8 25.2,6.05 26.05,5.2 27.35,5.2
/CONTROL/3V3 on Top: 26.9,35.3 25.4,35.3 25.4,34 26.9,34 27.35,33.55 27.35,32.4 27.95,32.4 27.95,36.95 27.35,36.95 27.35,35.75
/CONTROL/3V3 on Top: 22.9,63.25 22.9,59.15 22.8,59.05 17.05,59.05 16.8,58.8 16.8,57.95 18.6,57.95 18.8,57.75 18.8,55.4 30.55,55.4 27.85,58.1 27.85,62.9 25.05,62.9 24.7,63.25
/CONTROL/3V3 on Bottom: 29.95,42.25 30.4,42.7 30.4,57 27.8,59.65 20.1,59.65 18.55,58.1 18.55,42 27.25,42 27.25,26.25 26.9,25.9 16.6,25.9 16.6,6.35 29.95,6.35
